# Altium PCB Mixed Signal Board Project.PcbDoc (part 2 of 3) (continued)
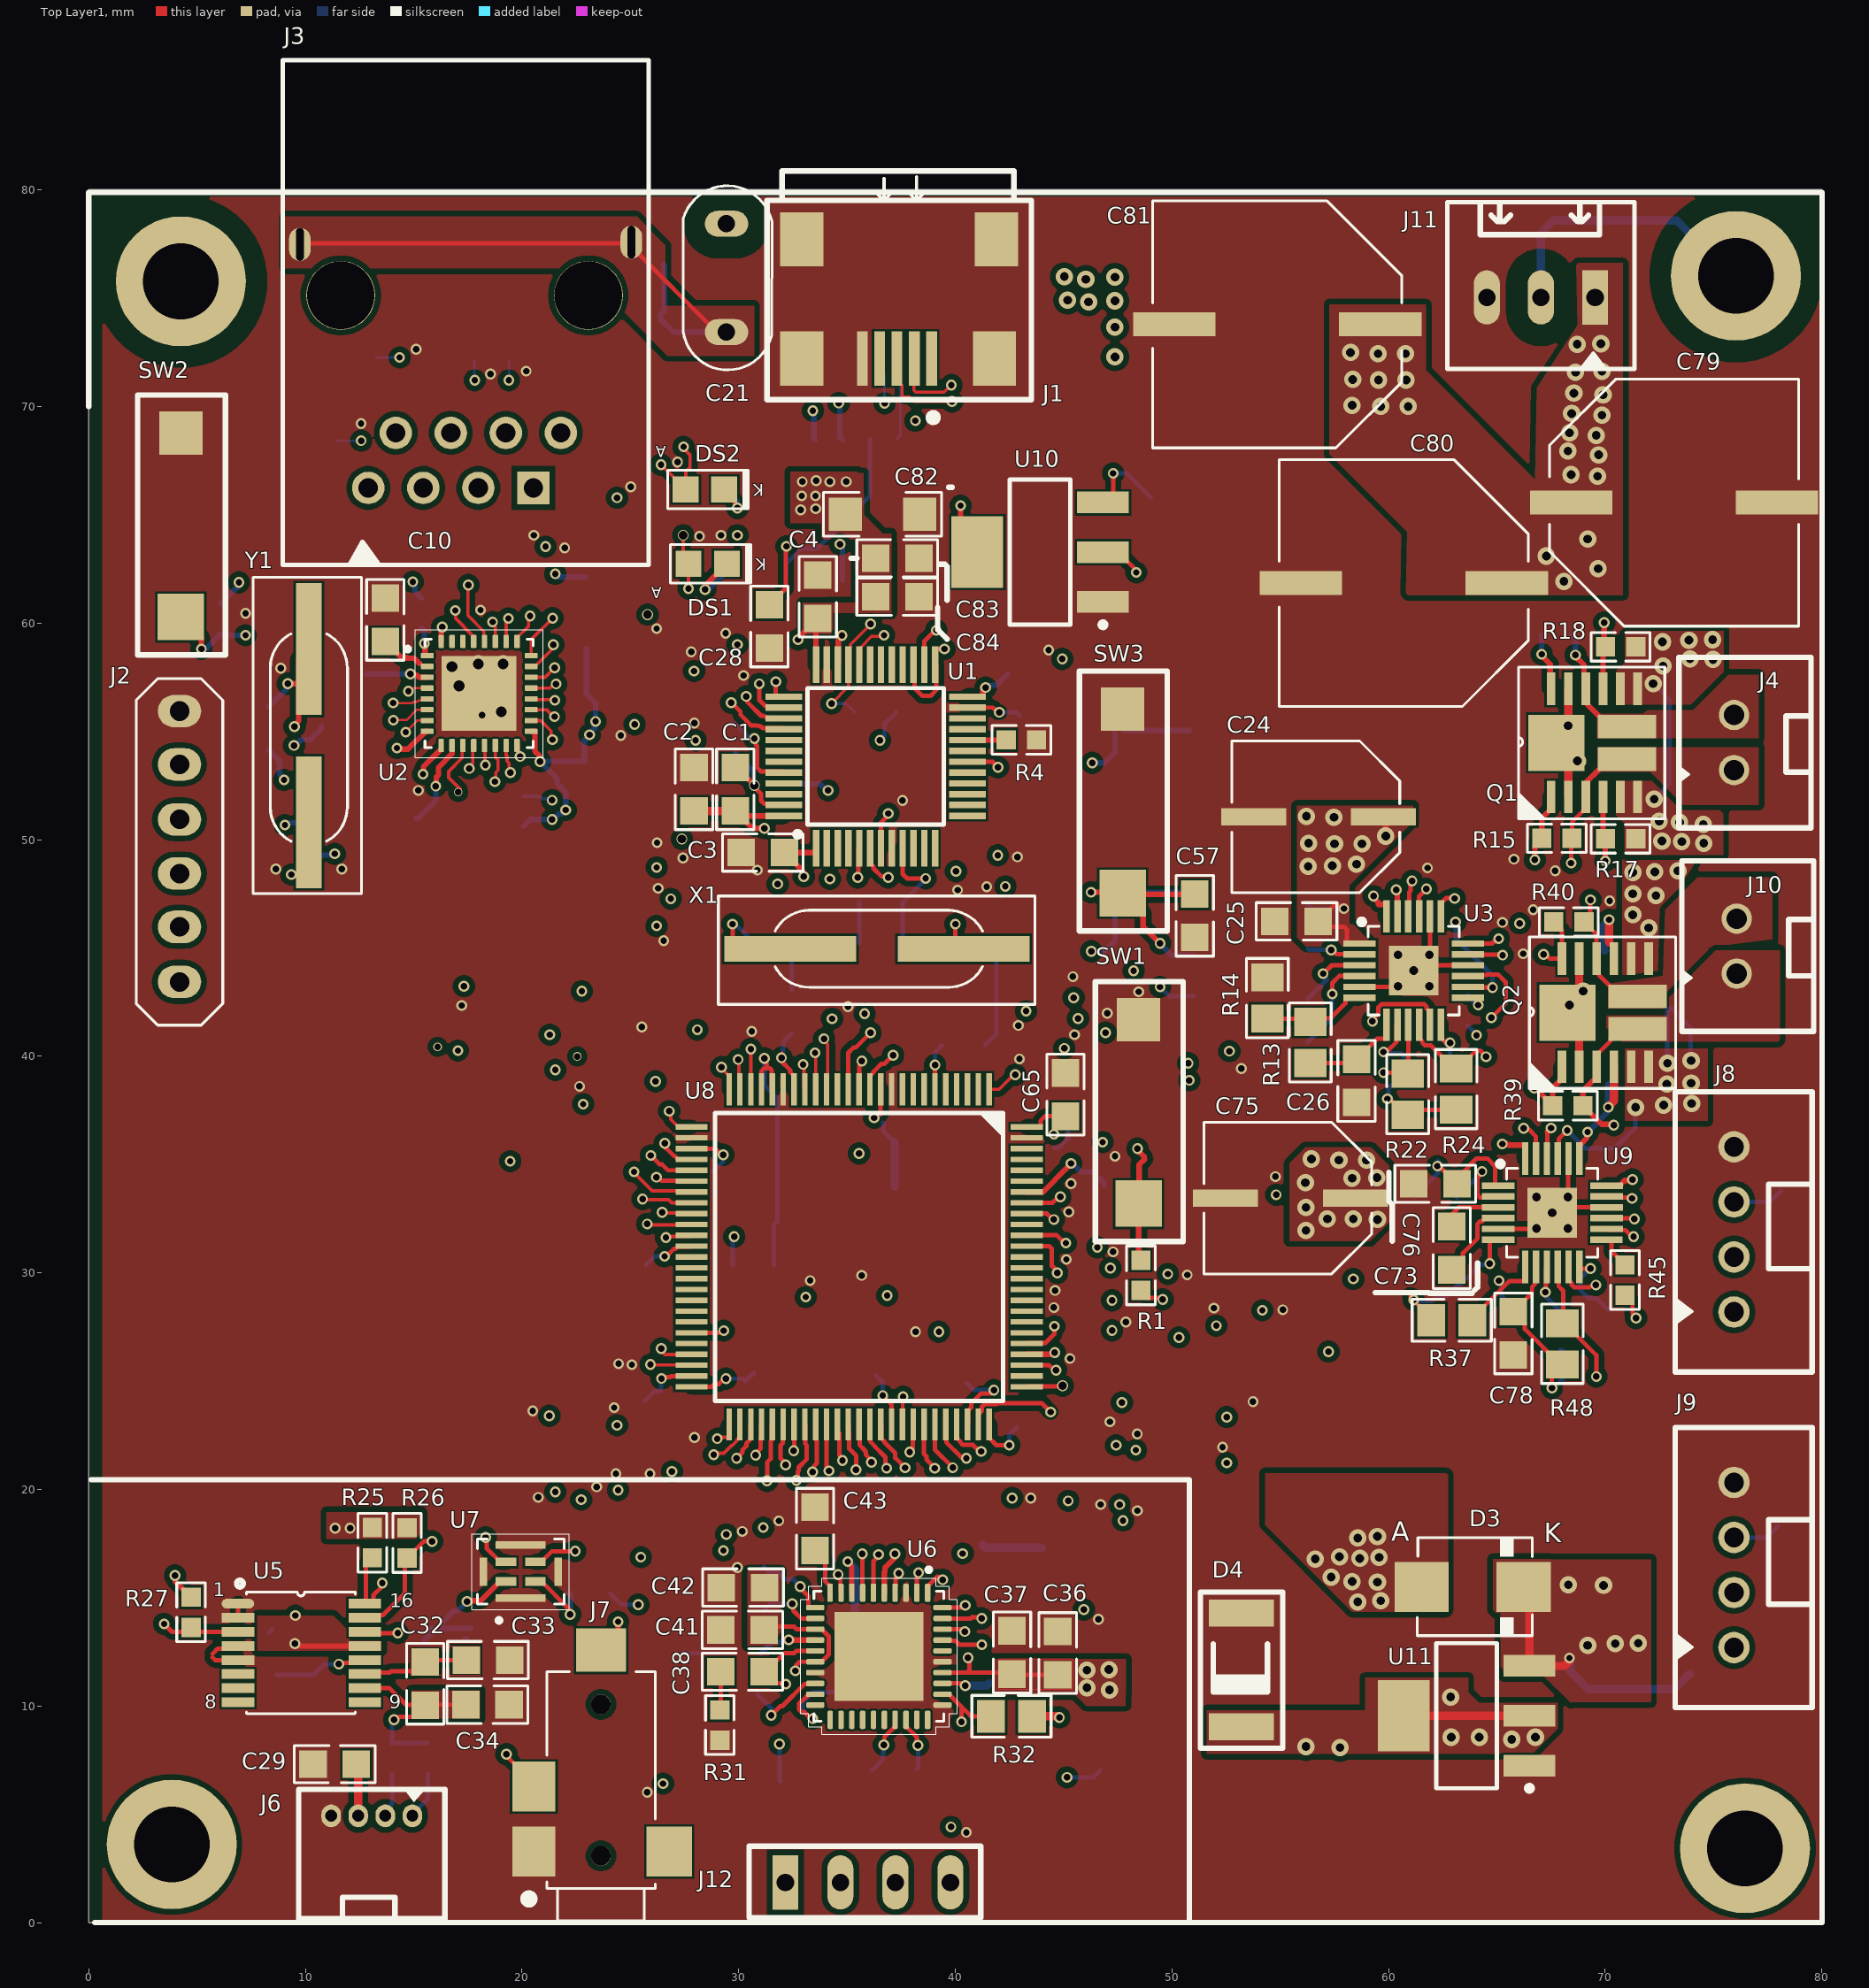
[diagram p0: Top Layer1 view]
## Nets (pads, with @x,y where several pads share a name; then routed paths per layer and width w, separated by ;. In a path a pad name is that pad's centre, name@x,y a point inside that pad or via, vN(x,y) a via of type N, cw(c..) or ccw(c..) an arc to the next point about the centre after c; other vN are vias at no path point) (continued)
  Top Layer1 w0.203: v1(37.895,21.725) 37.895,21.749 38.043,21.898 38.043,22.979 U8.68@38.06,22.996
  Layer 2 w0.203: v1(37.895,21.725) 38.378,21.242 38.378,20.397 40.361,18.415 44.933,18.415 47.193,16.154 52.426,16.154 55.042,18.771 68.275,18.771 77.027,27.522 77.027,29.653 J8.2@75.946,30.734
GH1: Q1.1 R15.2 U3.17 | length 9.9
  Top Layer1 w0.203: U3.17@63.664,44.703 63.682,44.685 65.246,44.685 v1(65.264,44.667)
  Top Layer1 w0.254: v1(66.751,49.073) 66.751,49.746 R15.2@67.069,50.063 67.069,50.986 67.501,51.418 Q1.1@67.501,51.968
  Layer 1 w0.254: v1@65.264,44.668 66.051,45.455 66.051,46.13 v1(66.056,46.136)
  Layer 2 w0.254: v1(66.056,46.136) 66.04,46.152 66.04,48.362 v1(66.751,49.073)
GH1_2: Q2.1 R39.2 U9.17 | length 13.2
  Top Layer1 w0.203: U9.17@70.061,33.525 70.103,33.483 71.197,33.483 v1(71.239,33.44)
  Top Layer1 w0.254: v1(66.722,38.532) 66.764,38.532 R39.2@67.577,37.719 67.577,38.544 67.921,38.889 67.929,38.889 68.002,38.962 Q2.1@68.002,39.512
  Layer 2 w0.254: v1(66.722,38.532) 66.696,38.506 66.696,37.111 66.87,36.938 66.87,34.628 67.183,34.315 70.364,34.315 v1(71.239,33.44)
GH2: Q1.12 R16.2 U3.24 | length 18.5
  Top Layer1 w0.254: v1(59.305,47.393) 59.305,47.326 59.54,47.092 59.54,47.013 59.887,47.013 59.893,47.007 U3.24@59.893,46.431 ; v1(67.067,58.561) 67.067,58.495 67.462,58.099 67.462,57.007 Q1.12@67.501,56.968
  Layer 1 w0.254: v1(59.305,47.393) 59.258,47.44 59.258,47.93 59.233,47.955 59.233,48.209 61.519,50.495 61.519,53.013 v1(67.067,58.561)
  Bottom Layer w0.254: v1(67.067,58.561) 67.067,59.434 R16.2@67.069,59.436
GH2_2: Q2.12 R40.2 U9.24 | length 14
  Top Layer1 w0.203: v1(67.158,44.704) 67.238,44.704 67.43,44.512 Q2.12@68.002,44.512 68.002,45.828 R40.2@67.627,46.203
  Top Layer1 w0.254: v1(65.25,35.95) 65.259,35.958 65.467,35.958 65.527,35.898 66.284,35.898 66.307,35.875 U9.24@66.307,35.275
  Layer 2 w0.254: v1(65.25,35.95) 65.25,36.016 65.608,36.374 65.608,36.938 65.634,36.963 65.634,40.193 65.651,40.211 65.651,43.197 v1(67.158,44.704)
GL1: Q1.4 R17.2 U3.19 | length 12
  Top Layer1 w0.203: U3.19@62.41,46.453 62.41,47.053 62.671,47.314 63.019,47.314 v1(63.046,47.287)
  Top Layer1 w0.254: Q1.4@69.901,51.968 69.901,50.152 R17.2@70.015,50.038 70.002,50.025 v1(70.002,49.018)
  Layer 1 w0.203: v1(63.046,47.287) 63.126,47.287 63.286,47.447 68.432,47.447 v1(70.002,49.018)
GL1_2: Q2.4 R41.2 U9.19 | length 6
  Top Layer1 w0.254: U9.19@68.807,35.275 68.807,35.875 69.143,36.211 69.143,36.453 v1(69.19,36.5)
  Top Layer1 w0.381: v1(70.144,37.644) 70.144,37.676 70.402,37.935 Q2.4@70.402,39.512
  Bottom Layer w0.254: v1(69.19,36.5) 70.097,37.407 70.097,37.597 v1(70.144,37.644)
  Bottom Layer w0.381: v1(70.144,37.644) 70.166,37.667 70.166,38.645 R41.2@70.206,38.684
GL2: Q1.9 R18.1 U3.22 | length 20.4
  Top Layer1 w0.203: U3.22@60.91,46.453 60.953,46.496 60.953,47.579 61.027,47.653 61.027,48.036 v1(61.084,48.093)
  Top Layer1 w0.254: Q1.9@69.901,56.968 69.901,58.788 R18.1@70.015,58.903 69.952,58.966 v1(69.952,60.02)
  Layer 2 w0.254: v1(61.084,48.093) 61.084,50.086 69.952,58.953 v1(69.952,60.02)
GL2_2: Q2.9 R42.1 U9.22 | length 15.8
  Top Layer1 w0.203: U9.22@67.33,35.898 v1@67.33,36.52
  Top Layer1 w0.254: U9.22@67.307,35.275 67.307,35.875 U9.22@67.33,35.898 ; v1@67.33,36.52 67.494,36.684 v1(67.501,36.684) ; Q2.9@70.206,45.258 70.402,45.062 Q2.9@70.402,44.512
  Top Layer1 w0.381: v1(70.18,46.304) 70.18,45.284 Q2.9@70.206,45.258
  Layer 2 w0.203: v1(67.501,36.684) 67.492,36.694 67.492,40.445 70.409,43.362 70.409,44.74 70.18,44.969 v1(70.18,46.304)
  Bottom Layer w0.381: R42.1@69.977,44.882 69.939,44.92 69.939,46.031 70.18,46.272 v1(70.18,46.304)
GND: 1.A 2.A 3.A 4.A C2.2 C3.1 C4.1 C5.2 C6.2 C7.1 C8.1 C9.2 C10.1 C11.1 C12.1 C13.1 C14.1 C16.1 C17.1 C18.1 C19.1 C24.2 C25.1 C26.1 C27.1 C28.1 C29.1 C30.1 C31.1 C33.1 C34.1 C36.1 C37.1 C39.1 C41.1 C42.1 C43.1 C44.1 C45.1 C46.1 C47.1 C48.1 C49.1 C50.2 C51.2 C52.2 C53.2 C54.1 C55.1 C56.2 C57.1 C58.2 C59.1 C60.1 C61.1 C62.1 C63.1 C64.1 C65.1 C66.1 C67.1 C68.1 C69.1 C70.1 C71.1 C72.1 C75.2 C76.1 C77.1 C78.1 C79.2 C80.2 C81.2 C82.1 C83.1 C84.1 C85.1 C86.1 C87.1 C88.1 C89.1 C90.1 C91.1 C92.1 C93.1 D2.A D4.A J1.5 J1.6 J2.6 J5.5 J5.6 J6.4 J7.1 J8.4 J9.4 J11.3 R4.1 R5.2 R6.2 R11.1 R14.2 R19.2 R20.1 R23.1 R30.2 R31.2 R34.1 R36.2 R38.2 R43.2 R44.1 R47.1 SW1.1 SW2.1 SW3.1 U1.8 U1.23 U1.35 U2.33 U3.5 U3.16 U3.20 U3.25 U4.1 U5.1 U5.2 U5.4 U5.5 U6.3 U6.17 U6.31 U6.35 U6.41 U7.5 U8.10 U8.20 U8.27 U8.74 U8.99 U9.5 U9.16 U9.20 U9.25 U10.1 U11.1 | length 32.9
  Top Layer1 w0.203: 5.716,12.243 5.835,12.124 U5.5@6.89,12.124 ; 5.716,12.411 5.955,12.65 6.767,12.65 U5.4@6.89,12.774 ; U5.2@6.89,14.074 U5.1@6.89,14.724 ; U1.23@40.56,56.098 41.739,56.098 41.957,55.88 v1(42.037,55.88) ; U8.74@41.06,22.996 41.06,23.46 41.229,23.629 41.229,23.815 41.349,23.935 41.914,23.935 41.961,23.982 43.993,23.982 v1(44.399,23.575) ; U3.5@58.66,43.203 60.41,43.203 v2(60.435,43.228) ; v2(61.16,43.953) 61.41,44.203 U3.16@63.664,44.203 ; v2(61.885,44.678) 61.91,44.703 U3.20@61.91,46.453 ; U9.5@65.057,32.025 66.807,32.025 v2(66.832,32.05) ; v2(67.557,32.775) 67.807,33.025 U9.16@70.061,33.025 ; v2(68.282,33.5) 68.282,35.25 U9.20@68.307,35.275
  Bottom Layer w0.203: C62.1@32.436,43.037 32.436,44.406 C5.2@32.988,44.958 ; C7.1@35.576,45.212 C8.1@35.576,47.117 ; C72.1@41.386,40.513 41.894,41.021 C6.2@41.894,44.831 ; v1(42.037,55.88) 42.815,55.88 C9.2@42.977,55.718 ; 44.552,35.793 44.802,35.793 45.212,36.202 45.212,37.313
  other v1: 40.513,4.166 25.781,6.02 46.609,13.999 29.947,16.395 30.171,18.063 31.855,18.546 48.403,19.021 46.711,19.304 43.485,19.605 20.749,19.635 23.444,20.117 24.333,20.726 25.908,20.726 52.34,21.953 27.965,22.403 48.399,22.566 47.135,23.121 20.495,23.623 24.257,23.774 53.742,24.054 25.07,25.756 24.457,25.803 45.295,26.044 38.166,27.283 47.878,27.734 55.118,28.296 51.943,28.372 44.552,28.397 44.602,29.185 33.299,29.642 35.678,29.88 50.708,29.905 45.13,30.619 47.278,30.97 45.237,32.817 45.343,34.118 54.78,34.442 47.371,35.382 22.657,38.608 53.204,39.427 42.961,39.876 45.506,40.992 30.607,41.148 25.527,41.351 42.909,41.419 47.015,41.986 35.052,42.291 17.221,42.342 48.463,42.977 45.43,43.674 66.218,44.729 26.543,45.339 65.253,46.177 66.675,46.761 70.206,47.168 40.107,47.676 26.289,47.752 41.453,47.828 67.691,48.565 30.861,48.59 8.636,48.641 11.684,48.641 61.798,48.692 65.786,49.098 27.432,49.149 42.875,49.2 26.238,49.86 37.567,51.812 15.216,52.272 24.562,54.813 27.956,55.382 18.161,55.749 30.226,57.582 8.865,57.912 27.813,58.674 44.308,58.754 29.398,59.53 26.213,59.741 7.239,60.452 18.085,60.604 21.971,63.471 28.194,64.008 20.549,64.055 29.189,64.055 25.019,66.294 27.178,67.437 12.573,69.215 18.542,71.501 20.193,71.628 15.113,72.644
  other v2: 68.282,32.05 66.832,33.5 61.885,43.228 60.435,44.678
  other v4: 19.05,55.899 17.095,57.099 16.764,57.982 17.984,58.115 19.127,58.115
INT: R9.1 U2.21 U8.67 | length 72.7
  Top Layer1 w0.156: U2.21@20.421,56.999 21.294,56.999 21.481,57.185 v1(21.574,57.185) ; U8.67@37.56,22.996 37.576,23.012 37.576,24.266 v1(37.592,24.282)
  Layer 1 w0.117: 13.646,52.633 13.645,52.632 13.589,52.572 13.589,37.973 23.622,27.94 23.622,22.86 25.131,21.351 26.028,21.351 28.596,23.919 33.212,23.919 33.782,24.489 33.782,25.629 34.214,26.06 37.008,26.06 37.592,25.476 v1(37.592,24.282) ; 13.647,52.633 13.648,52.635 13.652,52.639 13.656,52.643 13.658,52.645 13.66,52.647 14.161,53.184 14.24,53.268 14.241,53.269 14.851,53.879 15.047,54.089 15.049,54.091 15.055,54.098 15.065,54.108 15.08,54.125 15.142,54.191 15.167,54.217 15.168,54.219 15.17,54.22 17.591,56.587 ; 17.592,56.587 ccw(c17.095,57.099) 17.596,56.591 17.597,56.592 18.288,57.277 21.286,57.277 21.304,57.259 21.501,57.259 v1(21.574,57.185) 22.555,56.204 22.555,52.988 v1(21.391,51.823)
  Bottom Layer w0.156: R9.1@20.066,52.006 20.828,52.006 20.945,51.889 21.325,51.889 v1(21.391,51.823)
"JTCK/SWCK F103": J2.4 U1.37 | length 61.7
  Top Layer1 w0.203: U1.37@31.648,56.621 U1.37@32.061,56.621 ; U1.37@31.691,56.621 31.716,56.646 v1(31.716,57.291)
  Layer 1 w0.203: J2.4@4.191,50.934 4.057,50.934 2.007,52.984 2.007,63.856 6.074,67.923 7.179,67.923 12.618,73.361 22.016,73.361 25.781,69.596 29.21,69.596 31.496,67.31 31.496,62.713 32.487,61.722 32.487,60.147 32.283,59.944 32.175,59.944 31.886,59.656 31.886,58.197 31.716,58.027 v1(31.716,57.291)
"JTCLK F407": U1.26 U8.76 | length 45.3
  Top Layer1 w0.203: U1.26@38.572,58.086 38.572,59.165 39.074,59.666 v1(39.121,59.666) ; U8.76@43.298,24.734 43.323,24.759 44.931,24.759 v3(44.958,24.786)
  Layer 1 w0.203: v1(39.121,59.666) 42.162,59.666 42.469,59.36 44.78,59.36 45.716,58.424 45.716,47.875 45.661,47.82 45.661,44.61 46.275,43.997 46.275,40.904 45.949,40.578 45.949,30.581 45.716,30.348 45.716,26.536 45.9,26.351 45.9,25.959 45.898,25.957 45.898,25.683 45.001,24.786 v3(44.958,24.786)
"JTDI F103": J2.3 U1.38 | length 35.8
  Top Layer1 w0.203: v1(30.954,57.195) 30.954,56.443 31.088,56.309 31.222,56.175 31.307,56.175 31.336,56.146 U1.38@31.36,56.146 ; U1.38@32.036,56.146 U1.38@32.084,56.098
  Layer 1 w0.203: J2.3@4.191,48.434 J2.3@4.441,48.434 ; 28.194,57.785 28.922,57.785 29.442,58.305 29.442,58.508 v1(29.943,59.008)
  Layer 2 w0.203: J2.3@4.191,48.434 4.5,48.434 5.729,47.205 18.833,47.205 27.94,56.312 v1(27.94,57.785) ; v1(29.943,59.008) 30.019,59.008 30.836,58.191 30.836,57.394 30.954,57.275 v1(30.954,57.195)
"JTDO F103": J2.2 U1.39 | length 33.7
  Top Layer1 w0.203: v1(30.348,56.614) 30.405,56.557 30.405,56.345 31.032,55.718 31.141,55.718 31.17,55.689 31.208,55.689 31.251,55.646 31.336,55.646 31.384,55.598 U1.39@32.084,55.598
  Layer 1 w0.203: v1(28.015,54.585) 28.759,55.329 28.759,56.286 29.407,56.933 30.027,56.933 30.346,56.614 v1(30.348,56.614)
  Layer 2 w0.203: J2.2@4.191,45.974 19.404,45.974 v1(28.015,54.585)
"JTMS F407": U1.25 U1.27 U8.72 | length 56.3
  Top Layer1 w0.203: U1.27@38.072,58.086 38.072,57.386 38.12,57.338 38.12,57.003 38.481,56.642 38.862,56.642 39.116,56.896 39.116,58.042 U1.25@39.072,58.086 39.072,58.753 39.12,58.801 v1(39.497,58.801) ; U8.72@40.06,22.996 40.085,22.971 40.085,22.36 40.229,22.216 40.229,22.177 40.349,22.057 40.816,22.057 41.118,21.755 v1(41.198,21.755)
  Layer 1 w0.203: v1(35.814,41.961) 37.363,43.51 42.559,43.51 43.84,44.792 43.84,46.211 43.721,46.33 42.095,46.33 40.831,47.594 40.831,48.189 40.459,48.561 40.052,48.561 v1(40.03,48.539) ; v1(36.855,28.956) 37.57,28.956 v1(39.243,27.283)
  Layer 2 w0.203: v1(35.814,41.961) 35.789,41.961 35.408,41.58 35.408,40.912 36.855,39.464 v1(36.855,28.956) ; v1(39.243,27.283) 39.243,24.511 41.197,22.557 41.197,21.756 v1(41.198,21.755) ; v1(39.497,58.801) 40.259,58.039 40.259,48.768 v1(40.03,48.539)
"JTMS/SWDIO F103": J2.5 U1.34 | length 54.4
  Top Layer1 w0.254: U1.34@34.572,58.086 34.595,58.109 34.595,59.182 34.77,59.357 v1(34.77,59.424)
  Layer 1 w0.254: J2.5@4.191,53.474 2.765,53.474 2.616,53.623 2.616,63.195 5.842,66.421 8.255,66.421 12.192,70.358 21.844,70.358 24.511,67.691 24.514,67.691 25.338,66.867 25.365,66.867 27.13,65.103 29.258,65.103 29.896,64.465 29.896,64.102 v1(29.943,64.055)
  Layer 2 w0.254: v1(29.943,64.055) 30.59,64.055 30.713,64.178 30.923,64.178 31.242,63.859 31.242,60.96 32.004,60.198 34.226,60.198 34.646,59.778 34.646,59.614 34.77,59.49 v1(34.77,59.424)
LRCK: U6.40 U8.90 | length 29.4
  Top Layer1 w0.203: U6.40@39.409,14.544 40.276,14.544 40.382,14.649 v1(40.462,14.649) ; U8.90@43.299,31.733 44.683,31.733 45.044,31.373 v1(45.107,31.373)
  Layer 1 w0.203: v1(40.462,14.649) 42.919,14.649 44.247,15.977 47.132,15.977 49.479,18.324 49.479,19.064 49.479,24.065 48.235,25.31 46.63,26.914 46.63,29.087 47.16,29.617 v1(47.16,30.225)
  Layer 2 w0.203: v1(45.107,31.373) 45.164,31.316 45.563,31.316 46.605,30.274 47.11,30.274 v1(47.16,30.225)
MCLK: U6.37 U8.29 | length 49.6
  Top Layer1 w0.203: v1(26.596,35.984) 26.653,35.927 26.653,35.754 27.001,35.405 27.04,35.405 27.211,35.234 U8.29@27.822,35.234 ; U6.37@39.409,13.044 39.433,13.02 39.998,13.02 40.186,12.832 v1(41.224,12.832)
  Layer 1 w0.203: v1(21.265,23.402) 21.265,23.322 21.537,23.05 v1(21.537,19.889) ; v1(22.823,37.79) 22.843,37.77 24.74,37.77 26.525,35.984 v1(26.596,35.984)
  Layer 2 w0.203: v1(21.265,23.402) 21.26,23.408 21.26,36.227 v1(22.823,37.79) ; v1@21.615,19.775 26.43,14.961 31.191,14.961 32.461,13.691 34.99,13.691 36.336,12.344 38.467,12.344 38.955,12.832 v1(41.224,12.832)
MDC: U2.12 U8.16 | length 35.7
  Top Layer1 w0.156: v1(17.569,53.285) 17.569,53.378 17.731,53.54 17.731,54.307 17.73,54.308 U2.12@17.771,54.349 ; v1(33.938,40.807) 33.938,40.714 34.109,40.543 34.109,38.521 U8.16@34.06,38.472
  Layer 1 w0.117: v1(17.323,43.236) 17.323,43.339 17.569,43.586 v1(17.569,53.285) ; v1(26.868,47.269) 26.941,47.196 27.281,47.196 28.575,45.902 28.575,44.425 29.938,43.062 31.834,43.062 33.671,41.225 33.671,41.142 33.938,40.874 v1(33.938,40.807)
  Layer 2 w0.117: v1(17.323,43.236) 21.468,43.236 24.812,46.579 26.265,46.579 26.314,46.579 26.383,46.648 v1(26.868,47.269)
MDIO: R10.1 U2.11 U8.25 | length 28.5
  Top Layer1 w0.156: v5@17.145,52.324 16.612,52.857 16.612,53.151 17.236,53.775 17.236,54.314 U2.11@17.271,54.349 ; v1(29.21,39.497) 29.21,39.432 29.56,39.083 U8.25@29.56,38.472
  Layer 1 w0.117: v1(17.043,40.259) 17.043,40.932 16.561,41.415 16.561,51.701 v5(17.057,52.197) ; v5(22.55,39.99) 23.043,39.497 v1(29.21,39.497)
  Layer 2 w0.117: v1(17.043,40.259) 22.281,40.259 v5(22.55,39.99)
NetC1_1: C1.1 R2.2 U1.47 | length 5
  Top Layer1 w0.203: v3(30.73,52.502) 30.73,52.421 31.032,52.119 31.032,51.797 31.183,51.646 32.036,51.646 U1.47@32.084,51.598
  Top Layer1 w0.254: C1.1@29.845,53.324 30.325,52.844 30.388,52.844 v3(30.73,52.502)
  Bottom Layer w0.254: R2.2@29.845,53.975 30.687,53.133 30.687,52.545 v3(30.73,52.502)
NetC5_1: C5.1 U1.5 X1.2 | length 14.1
  Top Layer1 w0.203: v1@29.718,45.974 29.718,45.456 30.216,44.958 X1.2@32.385,44.958 ; v1(35.5,48.256) 35.536,48.292 35.536,49.574 U1.5@35.572,49.61
  Layer 2 w0.203: v1(29.718,46.101) 29.718,47.142 30.251,47.676 31.224,47.676 31.55,47.35 34.594,47.35 v1(35.5,48.256)
  Bottom Layer w0.203: v1(29.718,46.101) 29.775,46.044 29.902,46.044 C5.1@30.988,44.958
NetC6_1: C6.1 U1.6 X1.1 | length 9.7
  Top Layer1 w0.203: U1.6@36.072,49.61 36.072,48.91 36.22,48.762 36.22,48.677 36.584,48.313 36.85,48.313 v1(36.906,48.256) ; v1(40.005,46.101) 40.005,45.338 X1.1@40.385,44.958
  Layer 1 w0.203: v1(36.906,48.256) 36.906,48.176 36.728,47.998 36.728,46.507 37.135,46.101 v1(40.005,46.101)
  Bottom Layer w0.203: C6.1@39.894,44.831 40.005,44.942 v1(40.005,46.101)
NetC10_2: C10.2 U2.2 | length 2
  Top Layer1 w0.254: C10.2@13.691,59.147 14.433,58.405 14.676,58.405 14.704,58.377 15.016,58.377 15.254,58.138 15.264,58.138 15.275,58.127
NetC11_2: C11.2 C12.2 C13.2 C14.2 FB1.2 U2.3 | length 2.9
  Top Layer1 w0.254: v1(14.853,57.651) 14.9,57.604 15.133,57.604 15.236,57.501 15.619,57.501 U2.3@15.621,57.499
  Bottom Layer w0.254: C14.2@12.82,57.651 v1(14.853,57.651)
NetC15_1: C15.1 U2.8 Y1.2 | length 13.8
  Top Layer1 w0.254: v1(9.195,57.201) 9.687,57.201 Y1.2@9.687,58.328 ; v1(9.5,55.22) 9.5,55.286 9.687,55.474 Y1.2@9.687,58.328 ; Y1.2@10.16,58.801 Y1.2@9.687,58.328 ; v1(14.224,54.229) 14.271,54.182 14.741,54.182 14.816,54.257 15.558,54.999 U2.8@15.621,54.999
  Layer 1 w0.254: v1(9.5,55.22) 10.49,54.229 v1(14.224,54.229)
  Bottom Layer w0.254: C15.1@8.306,56.143 9.148,56.985 9.148,57.154 v1(9.195,57.201)
NetC15_2: C15.2 C20.2 | length 5
  Layer 2 w0.254: v1(9.017,52.756) 9.017,50.712 v1(9.056,50.673)
  Bottom Layer w0.254: C15.2@8.306,54.143 8.814,53.635 8.814,53.026 9.017,52.822 v1(9.017,52.756) ; v1(9.056,50.673) 9.123,50.673 9.229,50.779 C20.2@10.254,50.779
NetC20_1: C20.1 U2.9 Y1.1 | length 12.5
  Top Layer1 w0.254: v6(9.352,48.387) 9.687,48.387 10.16,48.86 Y1.1@10.16,50.801 ; v1(15.431,53.023) 15.449,53.041 15.449,53.356 U2.9@16.269,54.176
  Layer 2 w0.254: v1(11.354,49.345) 15.14,53.132 15.202,53.07 15.384,53.07 v1(15.431,53.023)
  Bottom Layer w0.254: v6(9.352,48.387) 9.862,48.387 10.762,49.287 11.229,49.287 11.287,49.345 v1(11.354,49.345)
NetC21_2: C21.2 J3.9 J3.10 R12.2 | length 28
  Top Layer1 w0.203: J3.9@9.749,77.484 9.799,77.534 24.999,77.534 J3.10@25.049,77.584 25.049,77.373 28.987,73.435 C21.2@29.439,73.435
  Layer 1 w0.381: C21.2@29.254,72.931 C21.2@29.254,73.435
  Bottom Layer w0.254: R12.2@26.531,76.543 R12.2@26.568,76.505 26.568,74.422 26.394,74.248 26.394,74.037 26.996,73.435 C21.2@29.439,73.435
NetC22_1: C22.1 U3.3 | length 3.5
  Top Layer1 w0.203: v1(56.977,43.813) 56.989,43.813 57.379,44.203 U3.3@58.66,44.203
  Bottom Layer w0.203: C22.1@56.261,42.647 57.157,43.542 57.109,43.59 57.109,43.608 56.977,43.74 v1(56.977,43.813)
NetC22_2: C22.2 U3.4 | length 4.6
  Top Layer1 w0.203: v1(57.404,42.875) 57.404,43.383 57.724,43.703 U3.4@58.66,43.703
  Bottom Layer w0.203: C22.2@56.261,40.647 57.404,41.79 v1(57.404,42.875)
NetC23_1: C23.1 U3.2 | length 2.5
  Top Layer1 w0.203: v1(57.353,44.907) 57.406,44.907 57.609,44.703 U3.2@58.66,44.703
  Bottom Layer w0.203: C23.1@56.287,44.949 56.328,44.907 v1(57.353,44.907)
NetC26_2: C26.2 R13.1 U3.7 | length 4.6
  Top Layer1 w0.203: R13.1@56.388,39.69 58.349,39.69 59.464,40.805 59.862,40.805 59.91,40.853 U3.7@59.91,41.453
NetC31_2: C31.2 FB2.2 U5.12 | length 4.3
  Top Layer1 w0.203: v1(11.545,11.936) 11.625,11.936 11.69,12 12.617,12 U5.12@12.74,12.124
  Bottom Layer w0.203: FB2.2@8.676,11.449 10.409,11.449 10.896,11.936 v1(11.545,11.936)
NetC32_1: C32.1 C33.2 U5.11 | length 4.9
  Top Layer1 w0.203: U5.11@12.74,11.474 12.814,11.548 13.905,11.548 13.962,11.604 15.061,11.604 C32.1@15.509,12.052 ; C32.1@15.534,12.027 15.626,12.119 C33.2@17.43,12.119
NetC32_2: C32.2 C34.2 R28.1 R29.1 U5.10 | length 9.6
  Top Layer1 w0.203: U5.10@12.74,10.824 12.843,10.927 12.946,10.824 13.883,10.824 14.655,10.052 C32.2@15.509,10.052 ; v1(14.097,9.373) 14.177,9.373 14.298,9.494 15.001,9.494 C32.2@15.534,10.027 15.569,10.062 C34.2@17.404,10.062
  Bottom Layer w0.203: v1(14.097,9.373) 13.995,9.271 R29.1@13.995,8.268 14.021,8.293 R28.1@15.646,8.293
NetC35_1: C35.1 J7.2 U6.14 | length 12.7
  Top Layer1 w0.254: J7.2@23.647,12.579 24.435,13.366 v1(24.435,13.89) ; v1(32.314,13.056) 32.324,13.046 33.537,13.046 U6.14@33.539,13.044
  Layer 2 w0.254: v1(24.435,13.89) 24.786,13.538 27.421,13.538 27.824,13.941 30.459,13.941 30.862,13.538 31.623,13.538 32.059,13.103
  Bottom Layer w0.254: C35.1@31.048,12.446 31.556,12.954 32.146,12.954 32.248,13.056 v1(32.314,13.056)
NetC35_2: C35.2 R30.1 | length 1.6
  Bottom Layer w0.203: R30.1@27.419,12.471 27.445,12.446 C35.2@29.048,12.446
NetC38_1: C38.1 J7.3 U6.15 | length 21.2
  Top Layer1 w0.203: v1(19.279,7.772) 19.279,7.697 20.547,6.429 J7.3@20.547,6.279 ; v1(32.177,11.012) 32.14,11.049 31.708,11.049 C38.1@31.175,11.582 31.708,12.116 31.775,12.116 32.11,12.45 32.574,12.45 32.668,12.544 U6.15@33.539,12.544
  Layer 2 w0.203: v1(19.279,7.772) 20.168,8.661 31.445,8.661 32.177,9.393 v1(32.177,11.012)
NetC38_2: C38.2 R31.1 | length 1.8
  Top Layer1 w0.203: R31.1@29.134,9.817 29.175,9.858 C38.2@29.175,11.582
NetC39_2: C39.2 C41.2 C42.2 FB3.2 U6.13 U6.16 | length 29.2
  Top Layer1 w0.203: C41.2@30.794,13.132 C41.2@31.175,13.513 31.324,13.661 32.565,13.661 32.683,13.544 U6.13@33.539,13.544 33.834,13.544 34.161,13.217 34.161,12.37 33.834,12.044 U6.16@33.539,12.044 32.815,12.044 32.672,11.901
  Layer 2 w0.203: 32.783,11.378 32.783,9.142 v1(31.886,8.246) 31.886,6.442 32.842,5.486 41.199,5.486 42.418,6.706 v1(45.161,6.706)
  Bottom Layer w0.203: v1(31.886,8.246) 31.886,6.56 C39.2@31.944,6.503 ; v1(45.161,6.706) 46.365,6.706 FB3.2@46.685,7.026
  other v1: 32.616,11.625
NetC40_1: C40.1 U6.11 | length 3.2
  Top Layer1 w0.203: 32.995,15.287 33.221,15.06 33.221,14.567 33.244,14.544 U6.11@33.539,14.544
  Bottom Layer w0.203: C40.1@31.166,16.418 31.424,16.159 31.805,16.159 32.115,15.85 32.512,15.85 v1(32.842,15.519)
NetC40_2: C40.2 U6.12 | length 2.9
  Top Layer1 w0.203: v1(32.471,14.715) 32.528,14.658 32.528,14.4 32.884,14.044 U6.12@33.539,14.044
  Bottom Layer w0.203: C40.2@31.166,14.418 31.463,14.715 v1(32.471,14.715)
NetC43_2: C43.2 U6.10 | length 2.2
  Top Layer1 w0.203: C43.2@33.528,17.186 33.988,16.727 33.988,15.76 34.224,15.524 U6.10@34.224,15.229
NetC50_1: C50.1 U6.27 | length 2.4
  Top Layer1 w0.203: 36.728,8.534 36.728,8.568 37.224,9.064 U6.27@37.224,9.359
  Bottom Layer w0.203: C50.1@36.144,7.045 36.179,7.045 36.677,7.544 36.677,8.179 v1(36.703,8.204)
NetC51_1: C51.1 U6.28 | length 2.5
  Top Layer1 w0.203: U6.28@37.724,9.359 37.724,9.064 38.221,8.567 38.221,8.236 v1(38.278,8.179)
  Bottom Layer w0.203: C51.1@38.227,7.096 38.278,7.147 v1(38.278,8.179)
NetC52_1: C52.1 U6.19 | length 5.6
  Top Layer1 w0.203: v1(33.422,9.415) 33.342,9.415 33.029,9.728 32.908,9.728 32.789,9.847 32.789,10.121 32.908,10.24 32.94,10.24 33.221,10.52 33.516,10.52 U6.19@33.539,10.544
  Bottom Layer w0.203: v1(33.422,9.415) 33.347,9.415 32.993,9.769 32.947,9.769 32.947,10.156 33.433,10.643 34.713,10.643 C52.1@35.119,11.049
NetC53_1: C53.1 U6.18 | length 3.9
  Top Layer1 w0.203: v1(31.503,9.575) 31.92,9.992 32.014,9.992 33.042,11.02 33.516,11.02 U6.18@33.539,11.044
  Bottom Layer w0.203: C53.1@30.873,10.536 31.534,9.876 31.503,9.876 v1(31.503,9.575)
NetC56_1: C56.1 U8.12 X2.2 | length 27.5
  Top Layer1 w0.203: U8.12@36.06,38.472 36.085,38.497 36.085,39.108 36.231,39.254 36.231,39.293 36.593,39.655 36.734,39.655 v1(37.128,40.049)
  Layer 2 w0.203: v1(37.128,40.049) 38.024,40.945 38.024,41.275 38.633,41.885 39.446,41.885 41.427,43.866 41.427,46.812 41.072,47.168 41.072,47.353 40.847,47.577 40.847,49.305 45.085,53.543 v1(46.321,53.543)
  Bottom Layer w0.254: v1(46.321,53.543) 46.898,53.543 47.371,54.016 X2.2@47.371,55.574 ; X2.2@47.371,55.506 47.844,55.033 C56.1@50.8,55.033
NetC58_1: C58.1 U8.13 X2.1 | length 21.6
  Top Layer1 w0.203: U8.13@35.56,38.472 35.56,39.569 35.687,39.696 v1(35.687,39.776)
  Layer 1 w0.203: v1(35.687,39.776) 35.767,39.776 36.348,40.357 36.579,40.357 38.26,42.038 43.222,42.038 v1(43.267,42.082)
  Layer 2 w0.254: v1(43.267,42.082) 43.334,42.082 43.709,42.458 43.964,42.458 44.358,42.852 44.358,43.495 45.168,44.305 45.741,44.305 v1(46.282,44.846)
  Bottom Layer w0.254: v1(46.282,44.846) 46.898,44.846 47.371,45.319 X2.1@47.371,47.574 50.74,47.574 C58.1@50.927,47.387
NetC66_2: C66.2 U8.73 | length 3.6
  Top Layer1 w0.203: U8.73@40.56,22.996 40.585,23.021 40.585,23.632 40.731,23.778 40.731,23.964 41.203,24.435 v1@41.681,24.435
  Bottom Layer w0.203: C66.2@40.513,24.924 40.85,24.587 v1(41.783,24.587)
NetC67_2: C67.2 U8.49 | length 2.9
  Top Layer1 w0.203: v1(26.441,25.121) 26.498,25.177 26.828,25.177 26.885,25.234 U8.49@27.822,25.234
  Bottom Layer w0.203: C67.2@25.68,24.089 26.127,24.536 26.416,24.536 26.416,25.095 v1(26.441,25.121)
NetC68_2: C68.2 C69.2 C70.2 C71.2 FB4.2 U8.21 U8.22 | length 12.5
  Top Layer1 w0.203: U8.22@31.06,38.472 31.06,39.327 31.179,39.446 31.31,39.446 ; v1@31.242,39.7 31.31,39.632 31.31,39.446 ; U8.21@31.56,38.472 31.535,38.497 31.535,39.353 31.441,39.446 31.31,39.446
  Bottom Layer w0.203: v1(31.191,39.903) 31.191,38.659 C71.2@31.623,38.227 31.782,38.068 C70.2@31.782,36.195 C69.2@31.782,34.29 C68.2@31.782,32.385 31.623,32.226 FB4.2@31.623,30.353
NetC73_1: C73.1 U9.3 | length 2.5
  Top Layer1 w0.203: C73.1@62.789,32.572 63.242,33.025 U9.3@65.057,33.025
NetC73_2: C73.2 U9.4 | length 3.7
  Top Layer1 w0.203: C73.2@62.916,30.14 63.431,30.656 63.431,30.919 64.105,31.593 64.105,32.259 64.223,32.377 64.308,32.377 64.457,32.525 U9.4@65.057,32.525
NetC74_1: C74.1 U9.2 | length 3.9
  Top Layer1 w0.203: v1(64.309,34.679) 64.309,34.599 64.105,34.395 64.105,33.588 64.211,33.482 65.014,33.482 U9.2@65.057,33.525
  Bottom Layer w0.203: C74.1@63.154,33.477 64.309,34.632 v1(64.309,34.679)
NetC77_2: C77.2 R37.1 U9.7 | length 5.4
  Top Layer1 w0.203: R37.1@63.866,27.813 63.866,27.913 65.58,29.627 66.258,29.627 66.307,29.675 U9.7@66.307,30.275
  Bottom Layer w0.203: v1(65.097,29.636) 65.097,29.556 65.202,29.451 65.202,28.94 C77.2@65.735,28.407
NetC85_2: C85.2 C86.2 C87.2 D1.K U10.3 | length 3.8
  Top Layer1 w0.203: U10.3@46.817,65.571 46.817,65.638 46.99,65.811 47.13,65.811 47.289,65.97 v1(47.289,66.91)
  Bottom Layer w0.203: v1(47.289,66.91) 47.914,66.91 C87.2@49.022,65.802 C87.2@49.031,65.802
NetC91_2: C91.2 C92.2 C93.2 D3.K U11.3 | length 12.5
  Top Layer1 w0.381: D3.K@66.235,15.494 66.502,15.227 U11.3@66.502,11.85 68.111,11.85 v1@68.326,12.065
  Bottom Layer w0.381: v1(68.351,12.217) 68.374,12.195 68.374,11.62 C93.2@69.215,10.779 C92.2@71.374,10.779 73.194,10.779 C91.2@73.909,11.494
  other v2: 69.19,12.802 70.46,12.878 71.523,12.902 69.922,15.569 68.301,15.596
NetDS1_K: DS1.K R5.1 | length 3.3
  Top Layer1 w0.254: v1(28.448,61.544) 28.495,61.591 28.495,61.769 DS1.K@29.464,62.738
  Bottom Layer w0.254: v1(28.448,61.544) 28.495,61.591 28.664,61.591 29.618,62.545 R5.1@29.718,62.545
NetDS2_K: DS2.K R6.1 | length 2.3
  Top Layer1 w0.203: DS2.K@29.337,66.167 29.835,65.669 29.835,65.498 29.943,65.391 v1(29.943,65.311)
  Bottom Layer w0.203: R6.1@29.337,66.172 29.394,66.172 29.943,65.624 v1(29.943,65.311)
NetR2_1: R2.1 U1.44 | length 3.6
  Top Layer1 w0.203: 30.787,54.395 30.861,54.321 30.861,53.315 31.029,53.146 32.036,53.146 U1.44@32.084,53.098
  Bottom Layer w0.203: R2.1@29.845,55.372 30.496,54.721 30.673,54.721 v1(30.73,54.664)
NetR4_2: R4.2 U1.20 | length 1.8
  Top Layer1 w0.254: U1.20@40.56,54.598 42.342,54.598 R4.2@42.354,54.61
NetR8_1: R8.1 U2.1 | length 1.4
  Top Layer1 w0.254: v1(15.494,59.055) 15.522,59.027 15.522,58.598 U2.1@15.621,58.499
  Bottom Layer w0.254: R8.1@15.367,59.754 15.494,59.627 v1(15.494,59.055)
NetR11_2: R11.2 U2.10 | length 4
  Top Layer1 w0.254: v1(16.018,52.468) 16.049,52.499 16.049,52.895 16.147,52.994 16.147,53.336 16.777,53.966 U2.10@16.777,54.237
  Bottom Layer w0.254: R11.2@15.113,50.988 15.213,50.988 16.018,51.793 v1(16.018,52.468)
NetR13_2: R13.2 R14.1 U3.6 | length 4.9
  Top Layer1 w0.203: R14.1@54.407,41.737 56.241,41.737 R13.2@56.388,41.59 56.552,41.754 57.324,41.754 58.012,42.441 58.012,42.655 58.06,42.703 U3.6@58.66,42.703
NetR20_2: R20.2 U3.12 | length 2.3
  Top Layer1 w0.203: U3.12@62.41,41.453 62.41,40.853 62.648,40.615 v1(62.84,40.615)
  Bottom Layer w0.203: v1(62.84,40.615) 62.84,39.99 R20.2@63.246,39.583
NetR21_2: R21.2 U3.13 | length 1.5
  Top Layer1 w0.203: U3.13@63.66,42.703 64.091,42.703 64.139,42.655 v1(64.139,42.361)
  Bottom Layer w0.203: R21.2@63.652,42.812 64.103,42.361 v1(64.139,42.361)